# Altium PCB OECU_BASE.PcbDoc (part 4 of 6)
Units mil, origin at the board's own origin, x right, y up, seen from the top; angles counter-clockwise.
Board outline 3937.01 x 3937.01 mil, 6 copper layers (SIG1, GND1, SIG2, POWER, GND2, SIG3), stack 60.566 mil thick; 357 components, 364 nets, 1500 pads, 1127 vias.
Unrouted connection lines stored in the file: 1.
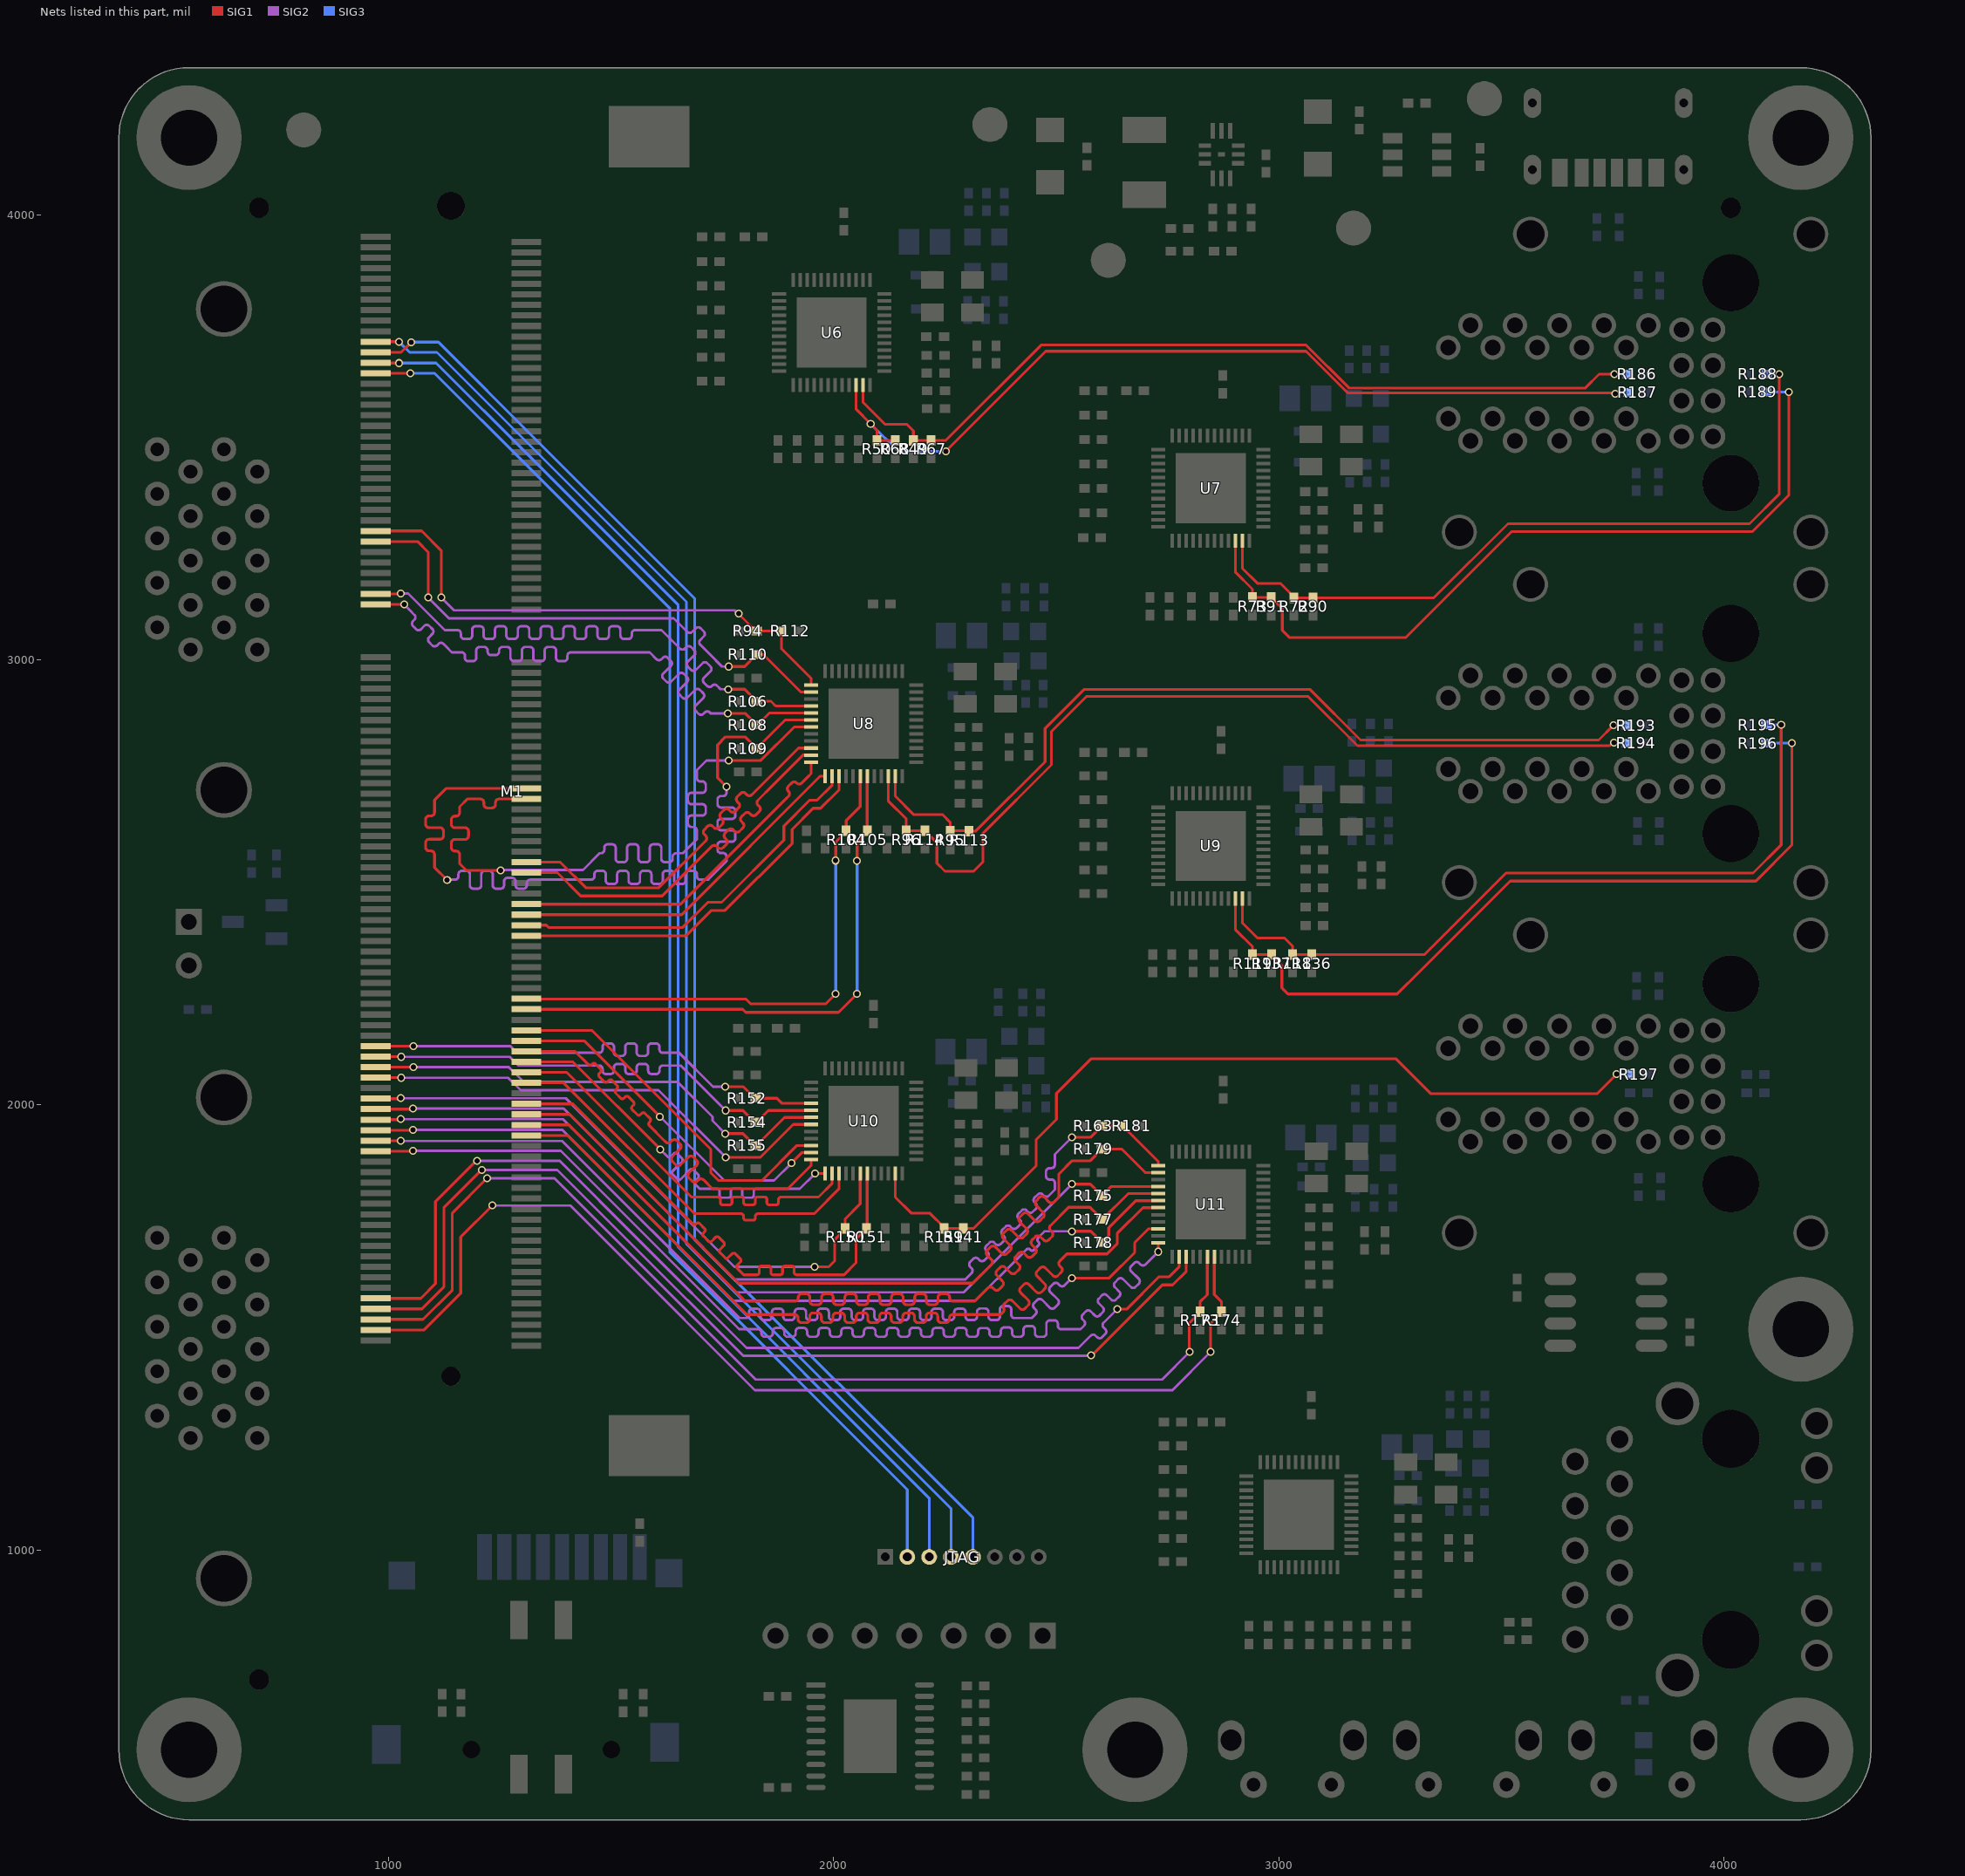
[diagram p8: the nets of this part, all layers, seen from the top]

## Via types
v1: diameter 17.72, hole 11.81, SIG1 to SIG3, tented both sides, 1064 vias
v2: diameter 23.62, hole 11.81, SIG1 to SIG3, tented both sides, 63 vias

## Nets (pads, with @x,y where several pads share a name; then routed paths per layer and width w, separated by ;. In a path a pad name is that pad's centre, name@x,y a point inside that pad or via, vN(x,y) a via of type N, cw(c..) or ccw(c..) an arc to the next point about the centre after c; other vN are vias at no path point) (continued)
IO35_5N: M1.167 U11.24 | length 2583.6
  SIG1 w6.16: M1.167@970.71,1895.98 1053.98,1895.98 v1(1055,1897) ; v1(2729,1670) 2729.28,1670.28 U11.24@2729.28,1690.28
  SIG2 w5.61: v1(1055,1897) 1386.57,1897 1787.57,1496 1801.58,1496 1830,1496 cw(c1830,1488.32) 1837.68,1488.32 1837.68,1486.65 ccw(c1845.36,1486.65) 1845.36,1478.97 1855.61,1478.97 ccw(c1855.61,1486.65) 1863.29,1486.65 1863.29,1491.12 cw(c1870.97,1491.12) 1870.97,1498.8 1881.22,1498.8 cw(c1881.22,1491.12) 1888.9,1491.12 1888.9,1486.65 ccw(c1896.58,1486.65) 1896.58,1478.97 1906.83,1478.97 ccw(c1906.83,1486.65) 1914.51,1486.65 1914.51,1491.16 cw(c1922.19,1491.16) 1922.19,1498.84 1932.44,1498.84 cw(c1932.44,1491.16) 1940.12,1491.16 1940.12,1486.65 ccw(c1947.8,1486.65) 1947.8,1478.97 1958.05,1478.97 ccw(c1958.05,1486.65) 1965.73,1486.65 1965.73,1491.2 cw(c1973.41,1491.2) 1973.41,1498.88 1983.66,1498.88 cw(c1983.66,1491.2) 1991.34,1491.2 1991.34,1486.65 ccw(c1999.02,1486.65) 1999.02,1478.97 2009.27,1478.97 ccw(c2009.27,1486.65) 2016.95,1486.65 2016.95,1491.25 cw(c2024.63,1491.25) 2024.63,1498.93 2034.88,1498.93 cw(c2034.88,1491.25) 2042.56,1491.25 2042.56,1486.65 ccw(c2050.24,1486.65) 2050.24,1478.97 2060.49,1478.97 ccw(c2060.49,1486.65) 2068.17,1486.65 2068.17,1491.3 cw(c2075.85,1491.3) 2075.85,1498.98 2086.1,1498.98 cw(c2086.1,1491.3) 2093.78,1491.3 2093.78,1486.65 ccw(c2101.46,1486.65) 2101.46,1478.97 2111.71,1478.97 ccw(c2111.71,1486.65) 2119.39,1486.65 2119.39,1491.36 cw(c2127.07,1491.36) 2127.07,1499.04 2137.32,1499.04 cw(c2137.32,1491.36) 2145,1491.36 2145,1486.65 ccw(c2152.68,1486.65) 2152.68,1478.97 2162.93,1478.97 ccw(c2162.93,1486.65) 2170.61,1486.65 2170.61,1491.36 cw(c2178.29,1491.36) 2178.29,1499.04 2188.54,1499.04 cw(c2188.54,1491.36) 2196.22,1491.36 2196.22,1486.65 ccw(c2203.9,1486.65) 2203.9,1478.97 2214.15,1478.97 ccw(c2214.15,1486.65) 2221.83,1486.65 2221.83,1491.27 cw(c2229.51,1491.27) 2229.51,1498.96 2239.76,1498.96 cw(c2239.76,1491.27) 2247.44,1491.27 2247.44,1486.65 ccw(c2255.12,1486.65) 2255.12,1478.97 2265.37,1478.97 ccw(c2265.37,1486.65) 2273.05,1486.65 2273.05,1491.11 cw(c2280.73,1491.11) 2280.73,1498.8 2290.98,1498.8 cw(c2290.98,1491.11) 2298.66,1491.11 2298.66,1486.65 ccw(c2306.34,1486.65) 2306.34,1478.97 2316.59,1478.97 ccw(c2316.59,1486.65) 2324.27,1486.65 2324.27,1490.95 cw(c2331.95,1490.95) 2331.95,1498.63 2342.2,1498.63 cw(c2342.2,1490.95) 2349.88,1490.95 2349.88,1486.65 ccw(c2357.56,1486.65) 2357.56,1478.97 2367.81,1478.97 ccw(c2367.81,1486.65) 2375.49,1486.65 2375.49,1492.07 cw(c2383.17,1492.07) 2383.17,1499.75 2393.42,1499.75 cw(c2393.42,1492.07) 2401.1,1492.07 2401.1,1486.65 ccw(c2408.78,1486.65) 2408.78,1478.97 2419.03,1478.97 ccw(c2419.03,1486.65) 2426.71,1486.65 2426.71,1495.39 cw(c2434.39,1495.39) 2434.39,1503.07 2444.64,1503.07 cw(c2444.64,1495.39) 2452.32,1495.39 2452.32,1486.65 ccw(c2460,1486.65) 2460,1478.97 2470.25,1478.97 ccw(c2470.25,1486.65) 2477.93,1486.65 2477.93,1508.32 cw(c2485.61,1508.32) 2485.61,1516 2495.86,1516 cw(c2495.86,1508.32) 2503.54,1508.32 2503.54,1503.68 ccw(c2511.22,1503.68) 2511.22,1496 2531.64,1496 2555,1496 2560.78,1501.78 2562.76,1503.76 ccw(c2557.33,1509.2) 2562.76,1514.63 2559.49,1517.91 cw(c2564.92,1523.34) 2559.49,1528.77 2566.73,1536.01 cw(c2572.16,1530.58) 2577.6,1536.01 2586.69,1526.92 ccw(c2592.13,1532.35) 2597.56,1526.92 2604.8,1534.16 ccw(c2599.37,1539.59) 2604.8,1545.03 ; 2604.8,1545.03 2595.7,1554.12 cw(c2601.14,1559.56) 2595.7,1564.99 2602.95,1572.23 cw(c2608.38,1566.8) 2613.81,1572.23 2623.57,1562.48 ccw(c2629,1567.91) 2634.43,1562.48 2641.68,1569.72 ccw(c2636.24,1575.16) 2641.68,1580.59 2631.92,1590.34 cw(c2637.36,1595.77) 2631.92,1601.21 2639.17,1608.45 cw(c2644.6,1603.02) 2650.03,1608.45 2667.45,1591.03 ccw(c2672.88,1596.46) 2678.32,1591.03 2685.56,1598.27 ccw(c2680.13,1603.71) 2685.56,1609.14 2668.14,1626.56 cw(c2673.57,1631.99) 2668.14,1637.42 2675.38,1644.67 cw(c2680.82,1639.24) 2686.25,1644.67 2689.53,1641.39 ccw(c2694.96,1646.82) 2700.39,1641.39 2718.4,1659.4 v1(2729,1670)
IO35_5P: M1.165 U11.22 | length 2575.2
  SIG1 w6.16: M1.165@970.71,1919.6 1026.4,1919.6 v1(1027,1919) ; v1(2535,1611) 2619.02,1611 2676.4,1668.38 2676.4,1690.4 2707.77,1721.77 U11.22@2729.28,1721.77
  SIG2 w5.61: v1(1027,1919) 1389.93,1919 1787.93,1521 1799.4,1521 1802.2,1521 ccw(c1802.2,1528.68) 1809.89,1528.68 1809.89,1534.39 cw(c1817.57,1534.39) 1817.57,1542.07 1827.81,1542.07 cw(c1827.81,1534.39) 1835.5,1534.39 1835.5,1524.07 ccw(c1843.18,1524.07) 1843.18,1516.39 1853.42,1516.39 ccw(c1853.42,1524.07) 1861.11,1524.07 1861.11,1534.39 cw(c1868.79,1534.39) 1868.79,1542.07 1879.03,1542.07 cw(c1879.03,1534.39) 1886.72,1534.39 1886.72,1524.07 ccw(c1894.4,1524.07) 1894.4,1516.39 1904.64,1516.39 ccw(c1904.64,1524.07) 1912.33,1524.07 1912.33,1534.39 cw(c1920.01,1534.39) 1920.01,1542.07 1930.25,1542.07 cw(c1930.25,1534.39) 1937.94,1534.39 1937.94,1524.07 ccw(c1945.62,1524.07) 1945.62,1516.39 1955.86,1516.39 ccw(c1955.86,1524.07) 1963.55,1524.07 1963.55,1534.39 cw(c1971.23,1534.39) 1971.23,1542.07 1981.47,1542.07 cw(c1981.47,1534.39) 1989.16,1534.39 1989.16,1524.07 ccw(c1996.84,1524.07) 1996.84,1516.39 2007.08,1516.39 ccw(c2007.08,1524.07) 2014.77,1524.07 2014.77,1534.39 cw(c2022.45,1534.39) 2022.45,1542.07 2032.69,1542.07 cw(c2032.69,1534.39) 2040.38,1534.39 2040.38,1524.07 ccw(c2048.06,1524.07) 2048.06,1516.39 2058.3,1516.39 ccw(c2058.3,1524.07) 2065.99,1524.07 2065.99,1534.39 cw(c2073.67,1534.39) 2073.67,1542.07 2083.91,1542.07 cw(c2083.91,1534.39) 2091.6,1534.39 2091.6,1524.07 ccw(c2099.28,1524.07) 2099.28,1516.39 2109.52,1516.39 ccw(c2109.52,1524.07) 2117.21,1524.07 2117.21,1534.39 cw(c2124.89,1534.39) 2124.89,1542.07 2135.13,1542.07 cw(c2135.13,1534.39) 2142.82,1534.39 2142.82,1524.07 ccw(c2150.5,1524.07) 2150.5,1516.39 2160.74,1516.39 ccw(c2160.74,1524.07) 2168.43,1524.07 2168.43,1534.39 cw(c2176.11,1534.39) 2176.11,1542.07 2186.35,1542.07 cw(c2186.35,1534.39) 2194.04,1534.39 2194.04,1524.07 ccw(c2201.72,1524.07) 2201.72,1516.39 2211.96,1516.39 ccw(c2211.96,1524.07) 2219.65,1524.07 2219.65,1534.39 cw(c2227.33,1534.39) 2227.33,1542.07 2237.57,1542.07 cw(c2237.57,1534.39) 2245.26,1534.39 2245.26,1524.07 ccw(c2252.94,1524.07) 2252.94,1516.39 2263.18,1516.39 ccw(c2263.18,1524.07) 2270.87,1524.07 2270.87,1534.39 cw(c2278.55,1534.39) 2278.55,1542.07 2288.79,1542.07 cw(c2288.79,1534.39) 2296.48,1534.39 2296.48,1524.07 ccw(c2304.16,1524.07) 2304.16,1516.39 2314.4,1516.39 ccw(c2314.4,1524.07) 2322.09,1524.07 2322.09,1534.86 cw(c2329.77,1534.86) 2329.77,1542.54 2340.01,1542.54 cw(c2340.01,1534.86) 2347.7,1534.86 2347.7,1524.07 ccw(c2355.38,1524.07) 2355.38,1516.39 2365.62,1516.39 ccw(c2365.62,1524.07) 2373.31,1524.07 2373.31,1540.39 cw(c2380.99,1540.39) 2380.99,1548.07 2391.23,1548.07 cw(c2391.23,1540.39) 2398.92,1540.39 2398.92,1528.68 ccw(c2406.6,1528.68) 2406.6,1521 2430.22,1521 2445,1521 2451.48,1527.48 2453.47,1529.47 ccw(c2448.03,1534.9) 2453.47,1540.33 2450.19,1543.61 cw(c2455.62,1549.04) 2450.19,1554.48 2457.43,1561.72 cw(c2462.87,1556.29) 2468.3,1561.72 2485.72,1544.3 ccw(c2491.15,1549.73) 2496.58,1544.3 2503.83,1551.54 ccw(c2498.4,1556.98) 2503.83,1562.41 2486.41,1579.83 cw(c2491.84,1585.26) 2486.41,1590.69 2493.65,1597.94 cw(c2499.09,1592.5) 2504.52,1597.94 2507.79,1594.66 ccw(c2513.23,1600.09) 2518.66,1594.66 2526.4,1602.4 v1(2535,1611)
IO35_6N: M1.164 U11.19 | length 2085.8
  SIG1 w6.16: M1.164@1309.29,1931.41 1402.32,1931.41 1804.73,1529 1882.8,1529 1912.04,1529 cw(c1912.04,1521.15) 1919.89,1521.15 1919.89,1518.58 ccw(c1927.74,1518.58) 1927.74,1510.74 1938.2,1510.74 ccw(c1938.2,1518.58) 1946.05,1518.58 1946.05,1524.82 cw(c1953.9,1524.82) 1953.9,1532.67 1964.36,1532.67 cw(c1964.36,1524.82) 1972.21,1524.82 1972.21,1518.58 ccw(c1980.06,1518.58) 1980.06,1510.74 1990.52,1510.74 ccw(c1990.52,1518.58) 1998.37,1518.58 1998.37,1524.82 cw(c2006.22,1524.82) 2006.22,1532.67 2016.68,1532.67 cw(c2016.68,1524.82) 2024.53,1524.82 2024.53,1518.58 ccw(c2032.38,1518.58) 2032.38,1510.74 2042.84,1510.74 ccw(c2042.84,1518.58) 2050.69,1518.58 2050.69,1524.82 cw(c2058.54,1524.82) 2058.54,1532.67 2069,1532.67 cw(c2069,1524.82) 2076.85,1524.82 2076.85,1518.58 ccw(c2084.7,1518.58) 2084.7,1510.74 2095.16,1510.74 ccw(c2095.16,1518.58) 2103.01,1518.58 2103.01,1524.82 cw(c2110.86,1524.82) 2110.86,1532.67 2121.32,1532.67 cw(c2121.32,1524.82) 2129.17,1524.82 2129.17,1518.58 ccw(c2137.02,1518.58) 2137.02,1510.74 2147.48,1510.74 ccw(c2147.48,1518.58) 2155.33,1518.58 2155.33,1524.82 cw(c2163.18,1524.82) 2163.18,1532.67 2173.64,1532.67 cw(c2173.64,1524.82) 2181.49,1524.82 2181.49,1518.58 ccw(c2189.34,1518.58) 2189.34,1510.74 2199.8,1510.74 ccw(c2199.8,1518.58) 2207.65,1518.58 2207.65,1524.82 cw(c2215.5,1524.82) 2215.5,1532.67 2225.96,1532.67 cw(c2225.96,1524.82) 2233.81,1524.82 2233.81,1518.58 ccw(c2241.66,1518.58) 2241.66,1510.74 2252.12,1510.74 ccw(c2252.12,1518.58) 2259.97,1518.58 2259.97,1521.15 cw(c2267.82,1521.15) 2267.82,1529 2285.7,1529 2368.64,1529 2373,1529 ccw(c2369.63,1541.97) 2383,1541.19 cw(c2388.55,1546.74) 2383,1552.29 2390.4,1559.69 cw(c2395.95,1554.14) 2401.5,1559.69 2418.69,1542.5 ccw(c2424.24,1548.05) 2429.79,1542.5 2437.19,1549.9 ccw(c2431.64,1555.45) 2437.19,1561 2420,1578.19 cw(c2425.55,1583.73) 2420,1589.28 2427.4,1596.68 cw(c2432.95,1591.13) 2438.5,1596.68 2455.68,1579.5 ccw(c2461.23,1585.05) 2466.78,1579.5 2474.18,1586.9 ccw(c2468.63,1592.45) 2474.18,1598 2457,1615.18 cw(c2462.54,1620.73) 2457,1626.28 2464.39,1633.68 cw(c2469.94,1628.13) 2475.49,1633.68 2492.68,1616.49 ccw(c2498.23,1622.04) 2503.78,1616.49 2511.18,1623.89 ccw(c2505.63,1629.44) 2511.18,1634.99 2508.13,1638.03 cw(c2513.68,1643.58) 2508.13,1649.13 2517.12,1658.12 2524,1665 2614,1665 2637,1688 2637,1711 2695.02,1769.02 U11.19@2729.28,1769.02
IO35_6P: M1.162 R177.1 U11.17 | length 2089.5
  SIG1 w6.16: M1.162@1309.29,1955.03 1404.83,1955.03 1800.87,1559 1909.42,1559 1912.5,1559 ccw(c1912.5,1566.85) 1920.35,1566.85 1920.35,1567.48 cw(c1928.2,1567.48) 1928.2,1575.33 1938.66,1575.33 cw(c1938.66,1567.48) 1946.51,1567.48 1946.51,1559 ccw(c1954.36,1559) 1954.36,1551.15 1964.82,1551.15 ccw(c1964.82,1559) 1972.67,1559 1972.67,1567.48 cw(c1980.52,1567.48) 1980.52,1575.33 1990.98,1575.33 cw(c1990.98,1567.48) 1998.83,1567.48 1998.83,1559 ccw(c2006.68,1559) 2006.68,1551.15 2017.14,1551.15 ccw(c2017.14,1559) 2024.99,1559 2024.99,1567.48 cw(c2032.84,1567.48) 2032.84,1575.33 2043.3,1575.33 cw(c2043.3,1567.48) 2051.15,1567.48 2051.15,1559 ccw(c2059,1559) 2059,1551.15 2069.46,1551.15 ccw(c2069.46,1559) 2077.31,1559 2077.31,1567.48 cw(c2085.16,1567.48) 2085.16,1575.33 2095.62,1575.33 cw(c2095.62,1567.48) 2103.47,1567.48 2103.47,1559 ccw(c2111.32,1559) 2111.32,1551.15 2121.78,1551.15 ccw(c2121.78,1559) 2129.63,1559 2129.63,1567.48 cw(c2137.48,1567.48) 2137.48,1575.33 2147.94,1575.33 cw(c2147.94,1567.48) 2155.79,1567.48 2155.79,1559 ccw(c2163.64,1559) 2163.64,1551.15 2174.1,1551.15 ccw(c2174.1,1559) 2181.95,1559 2181.95,1567.48 cw(c2189.8,1567.48) 2189.8,1575.33 2200.26,1575.33 cw(c2200.26,1567.48) 2208.11,1567.48 2208.11,1559 ccw(c2215.96,1559) 2215.96,1551.15 2226.42,1551.15 ccw(c2226.42,1559) 2234.27,1559 2234.27,1567.48 cw(c2242.12,1567.48) 2242.12,1575.33 2252.58,1575.33 cw(c2252.58,1567.48) 2260.43,1567.48 2260.43,1566.85 ccw(c2268.28,1566.85) 2268.28,1559 2308.79,1559 2317,1559 2325.9,1567.9 2346.58,1588.58 cw(c2352.13,1583.03) 2357.68,1588.58 2360.72,1585.53 ccw(c2366.27,1591.08) 2371.82,1585.53 2379.22,1592.93 ccw(c2373.67,1598.48) 2379.22,1604.03 2366.74,1616.51 cw(c2372.29,1622.06) 2366.74,1627.61 2374.14,1635.01 cw(c2379.69,1629.46) 2385.24,1635.01 2397.72,1622.53 ccw(c2403.27,1628.08) 2408.81,1622.53 2416.21,1629.93 ccw(c2410.66,1635.48) 2416.21,1641.03 2408.92,1648.32 cw(c2414.47,1653.87) 2408.92,1659.42 2416.32,1666.82 cw(c2421.87,1661.27) 2427.42,1666.82 2434.71,1659.53 ccw(c2440.26,1665.08) 2445.81,1659.53 2453.21,1666.93 ccw(c2447.66,1672.47) 2453.21,1678.02 2445.92,1685.32 cw(c2451.47,1690.87) 2445.92,1696.41 2453.32,1703.81 cw(c2458.87,1698.26) 2464.42,1703.81 2471.71,1696.52 ccw(c2477.26,1702.07) 2482.81,1696.52 2490.21,1703.92 ccw(c2484.66,1709.47) 2490.21,1715.02 2487.16,1718.06 cw(c2492.71,1723.61) 2487.16,1729.16 2527.85,1769.85 2528,1770 2575.68,1770 R177.1@2601.34,1744.34 ; R177.1@2603.34,1742.34 2661.51,1800.51 U11.17@2729.28,1800.51
IO35_7N: M1.149 R154.1 U10.17 | length 1139.9
  SIG1 w6.16: M1.149@970.71,2108.58 1027.42,2108.58 v1(1028,2108) ; v1(1757,1987.5) 1796.22,1987.5 1822.72,1961 R154.1@1824.68,1961 1826.65,1961 1853.28,1987.62 U10.17@1949.28,1987.62
  SIG2 w5.61: v1(1028,2108) 1272.21,2108 1291.71,2088.5 1444.5,2088.5 1472.92,2088.5 cw(c1472.92,2080.82) 1480.6,2080.82 1480.6,2077.11 ccw(c1488.28,2077.11) 1488.28,2069.43 1498.53,2069.43 ccw(c1498.53,2077.11) 1506.21,2077.11 1506.21,2084.39 cw(c1513.89,2084.39) 1513.89,2092.07 1524.14,2092.07 cw(c1524.14,2084.39) 1531.82,2084.39 1531.82,2077.11 ccw(c1539.5,2077.11) 1539.5,2069.43 1549.75,2069.43 ccw(c1549.75,2077.11) 1557.43,2077.11 1557.43,2084.39 cw(c1565.11,2084.39) 1565.11,2092.07 1575.36,2092.07 cw(c1575.36,2084.39) 1583.04,2084.39 1583.04,2077.11 ccw(c1590.72,2077.11) 1590.72,2069.43 1600.97,2069.43 ccw(c1600.97,2077.11) 1608.65,2077.11 1608.65,2080.82 cw(c1616.33,2080.82) 1616.33,2088.5 1656,2088.5 v1(1757,1987.5)
IO35_7P: M1.147 R152.1 U10.16 | length 1146.8
  SIG1 w6.16: M1.147@970.71,2132.2 1055.8,2132.2 v1(1056,2132) ; v1(1756.5,2041) 1796.72,2041 1822.72,2015 1872.5,2015 1884.13,2003.37 U10.16@1949.28,2003.37
  SIG2 w5.61: v1(1056,2132) 1273.57,2132 1288.57,2117 1470.05,2117 1472.85,2117 ccw(c1472.85,2124.68) 1480.54,2124.68 1480.54,2130.39 cw(c1488.22,2130.39) 1488.22,2138.07 1498.46,2138.07 cw(c1498.46,2130.39) 1506.15,2130.39 1506.15,2117.68 ccw(c1513.83,2117.68) 1513.83,2110 1524.07,2110 ccw(c1524.07,2117.68) 1531.76,2117.68 1531.76,2130.39 cw(c1539.44,2130.39) 1539.44,2138.07 1549.68,2138.07 cw(c1549.68,2130.39) 1557.37,2130.39 1557.37,2117.68 ccw(c1565.05,2117.68) 1565.05,2110 1575.29,2110 ccw(c1575.29,2117.68) 1582.98,2117.68 1582.98,2130.39 cw(c1590.66,2130.39) 1590.66,2138.07 1600.9,2138.07 cw(c1600.9,2130.39) 1608.59,2130.39 1608.59,2124.68 ccw(c1616.27,2124.68) 1616.27,2117 1633.87,2117 1653,2117 1729,2041 v1(1756.5,2041)
IO35_8N: M1.71 R108.1 U8.17 | length 1564.9
  SIG1 w6.16: M1.71@970.71,3124.33 1034.83,3124.33 v1(1035,3124.5) ; v1(1762.13,2880) 1800.68,2880 R108.1@1826.68,2854 1828.65,2854 1855.17,2880.51 U8.17@1949.28,2880.51
  SIG2 w5.61: v1(1035,3124.5) 1035,3124 1047.55,3111.45 1057.84,3101.16 cw(c1052.41,3095.72) 1057.84,3090.29 1054.57,3087.01 ccw(c1060,3081.58) 1054.57,3076.15 1061.81,3068.91 ccw(c1067.24,3074.34) 1072.68,3068.91 1080.27,3076.5 cw(c1085.71,3071.07) 1091.14,3076.5 1098.38,3069.26 cw(c1092.95,3063.83) 1098.38,3058.39 1090.78,3050.8 ccw(c1096.22,3045.36) 1090.78,3039.93 1098.03,3032.69 ccw(c1103.46,3038.12) 1108.89,3032.69 1112.17,3035.96 cw(c1117.6,3030.53) 1123.04,3035.96 1125.02,3033.98 1127.5,3031.5 1142,3017 1163.6,3017 cw(c1163.6,3009.32) 1171.28,3009.32 1171.28,3004.68 ccw(c1178.96,3004.68) 1178.96,2997 1189.21,2997 ccw(c1189.21,3004.68) 1196.89,3004.68 1196.89,3021.39 cw(c1204.57,3021.39) 1204.57,3029.07 1214.82,3029.07 cw(c1214.82,3021.39) 1222.5,3021.39 1222.5,3018.35 ccw(c1230.18,3018.35) 1230.18,3010.66 1240.43,3010.66 ccw(c1240.43,3018.35) 1248.11,3018.35 1248.11,3021.39 cw(c1255.79,3021.39) 1255.79,3029.07 1266.04,3029.07 cw(c1266.04,3021.39) 1273.72,3021.39 1273.72,3004.68 ccw(c1281.4,3004.68) 1281.4,2997 1291.65,2997 ccw(c1291.65,3004.68) 1299.33,3004.68 1299.33,3021.39 cw(c1307.01,3021.39) 1307.01,3029.07 1317.26,3029.07 cw(c1317.26,3021.39) 1324.94,3021.39 1324.94,3004.68 ccw(c1332.62,3004.68) 1332.62,2997 1342.87,2997 ccw(c1342.87,3004.68) 1350.55,3004.68 1350.55,3021.39 cw(c1358.23,3021.39) 1358.23,3029.07 1368.48,3029.07 cw(c1368.48,3021.39) 1376.16,3021.39 1376.16,3004.68 ccw(c1383.84,3004.68) 1383.84,2997 1394.09,2997 ccw(c1394.09,3004.68) 1401.77,3004.68 1401.77,3009.32 cw(c1409.45,3009.32) 1409.45,3017 1586.5,3017 1602,3001.5 ccw(c1607.43,3006.94) 1612.86,3001.5 1616.14,3004.78 cw(c1621.57,2999.35) 1627,3004.78 1634.25,2997.54 cw(c1628.82,2992.1) 1634.25,2986.67 1616.83,2969.25 ccw(c1622.26,2963.82) 1616.83,2958.39 1624.07,2951.14 ccw(c1629.51,2956.58) 1634.94,2951.14 1652.36,2968.56 cw(c1657.79,2963.13) 1663.22,2968.56 1670.47,2961.32 cw(c1665.03,2955.89) 1670.47,2950.45 1653.05,2933.03 ccw(c1658.48,2927.6) 1653.05,2922.17 1660.29,2914.92 ccw(c1665.72,2920.36) 1671.16,2914.92 1688.58,2932.34 cw(c1694.01,2926.91) 1699.44,2932.34 1706.68,2925.1 cw(c1701.25,2919.67) 1706.68,2914.23 1689.27,2896.82 ccw(c1694.7,2891.38) 1689.27,2885.95 1696.51,2878.71 ccw(c1701.94,2884.14) 1707.37,2878.71 1710.65,2881.98 cw(c1716.08,2876.55) 1721.52,2881.98 1723.5,2880 v1(1762.13,2880)
IO35_8P: M1.69 R106.1 U8.16 | length 1529.8
  SIG1 w6.16: M1.69@970.71,3147.95 1025.95,3147.95 v1(1027,3149) ; v1(1763,2934) 1799.68,2934 R106.1@1826.68,2907 1859,2907 1869.74,2896.26 U8.16@1949.28,2896.26
  SIG2 w5.61: v1(1027,3149) 1044,3149 1126,3067 1154.42,3067 cw(c1154.42,3059.32) 1162.1,3059.32 1162.1,3054.68 ccw(c1169.78,3054.68) 1169.78,3047 1180.03,3047 ccw(c1180.03,3054.68) 1187.71,3054.68 1187.71,3067.89 cw(c1195.39,3067.89) 1195.39,3075.57 1205.64,3075.57 cw(c1205.64,3067.89) 1213.32,3067.89 1213.32,3054.68 ccw(c1221,3054.68) 1221,3047 1231.25,3047 ccw(c1231.25,3054.68) 1238.93,3054.68 1238.93,3067.89 cw(c1246.61,3067.89) 1246.61,3075.57 1256.86,3075.57 cw(c1256.86,3067.89) 1264.54,3067.89 1264.54,3054.68 ccw(c1272.22,3054.68) 1272.22,3047 1282.47,3047 ccw(c1282.47,3054.68) 1290.15,3054.68 1290.15,3067.89 cw(c1297.83,3067.89) 1297.83,3075.57 1308.08,3075.57 cw(c1308.08,3067.89) 1315.76,3067.89 1315.76,3054.68 ccw(c1323.44,3054.68) 1323.44,3047 1333.69,3047 ccw(c1333.69,3054.68) 1341.37,3054.68 1341.37,3067.89 cw(c1349.05,3067.89) 1349.05,3075.57 1359.3,3075.57 cw(c1359.3,3067.89) 1366.98,3067.89 1366.98,3054.68 ccw(c1374.66,3054.68) 1374.66,3047 1384.91,3047 ccw(c1384.91,3054.68) 1392.59,3054.68 1392.59,3067.89 cw(c1400.27,3067.89) 1400.27,3075.57 1410.52,3075.57 cw(c1410.52,3067.89) 1418.2,3067.89 1418.2,3054.68 ccw(c1425.88,3054.68) 1425.88,3047 1436.13,3047 ccw(c1436.13,3054.68) 1443.81,3054.68 1443.81,3067.89 cw(c1451.49,3067.89) 1451.49,3075.57 1461.74,3075.57 cw(c1461.74,3067.89) 1469.42,3067.89 1469.42,3054.68 ccw(c1477.1,3054.68) 1477.1,3047 1487.35,3047 ccw(c1487.35,3054.68) 1495.03,3054.68 1495.03,3067.89 cw(c1502.71,3067.89) 1502.71,3075.57 1512.96,3075.57 cw(c1512.96,3067.89) 1520.64,3067.89 1520.64,3054.68 ccw(c1528.32,3054.68) 1528.32,3047 1538.57,3047 ccw(c1538.57,3054.68) 1546.25,3054.68 1546.25,3059.32 cw(c1553.93,3059.32) 1553.93,3067 1613,3067 1652.61,3027.39 1654.59,3025.41 ccw(c1660.02,3030.84) 1665.46,3025.41 1668.73,3028.69 cw(c1674.17,3023.25) 1679.6,3028.69 1686.84,3021.44 cw(c1681.41,3016.01) 1686.84,3010.58 1672.14,2995.87 ccw(c1677.57,2990.44) 1672.14,2985 1679.38,2977.76 ccw(c1684.81,2983.19) 1690.25,2977.76 1704.95,2992.47 cw(c1710.38,2987.03) 1715.82,2992.47 1723.06,2985.22 cw(c1717.63,2979.79) 1723.06,2974.36 1708.35,2959.65 ccw(c1713.79,2954.22) 1708.35,2948.79 1715.6,2941.54 ccw(c1721.03,2946.98) 1726.46,2941.54 1727.03,2942.11 cw(c1732.46,2936.67) 1737.89,2942.11 1746,2934 1753.85,2934 v1(1763,2934)